# Altium PCB Adafruit HUZZAH32 ESP32 Feather.PcbDoc
Units mil, origin at the board's own origin, x right, y up, seen from the top; angles counter-clockwise.
Board outline 2000 x 900 mil, 2 copper layers (Top, Bottom); 40 components, 43 nets, 180 pads, 98 vias.
Unrouted connection lines stored in the file: 2.
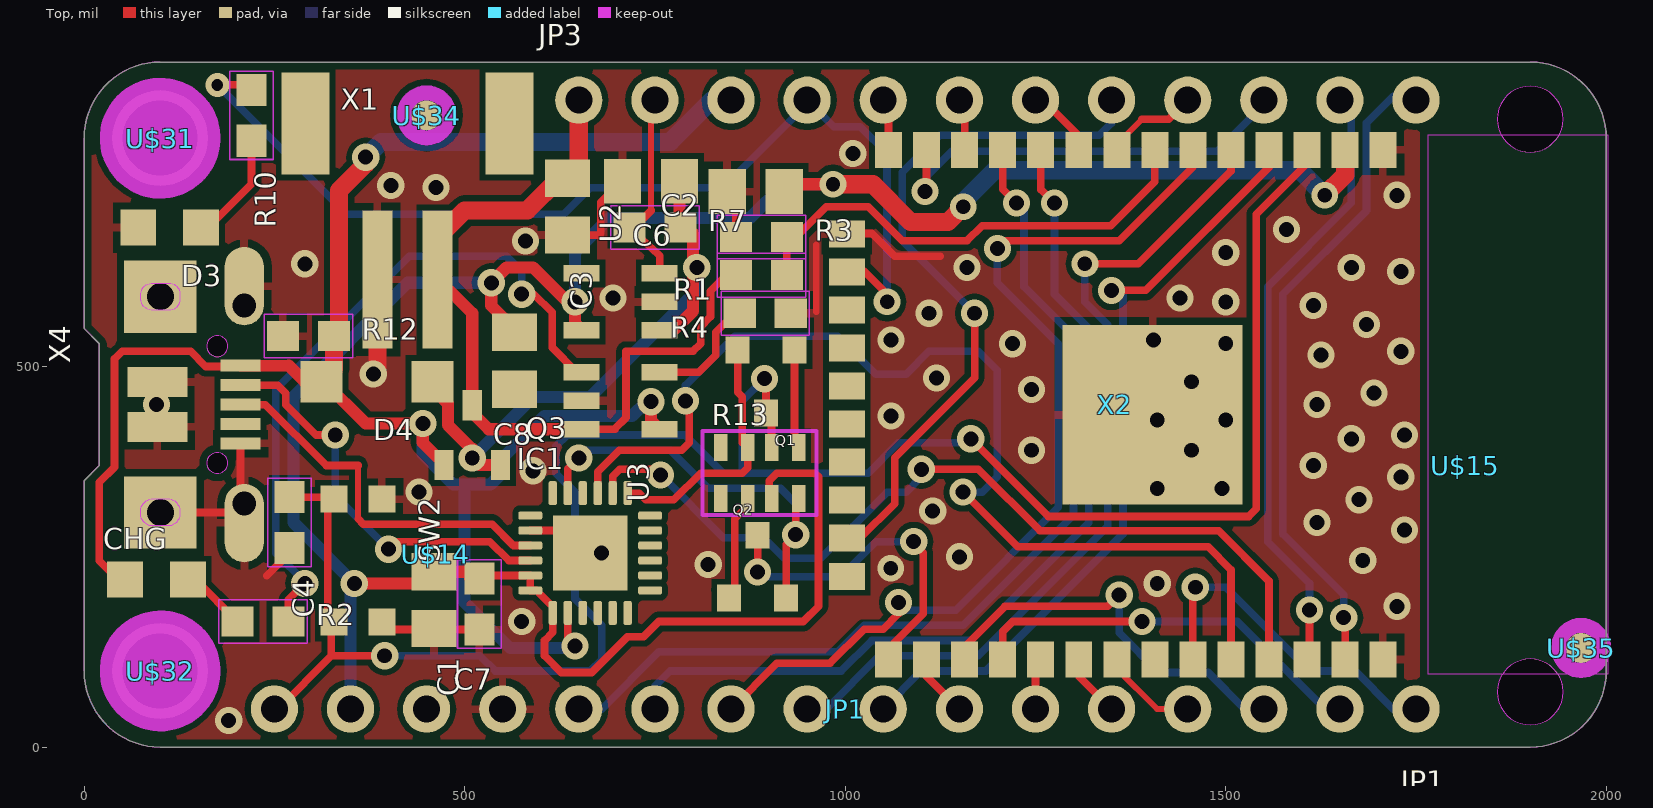
[diagram p0: Top view]
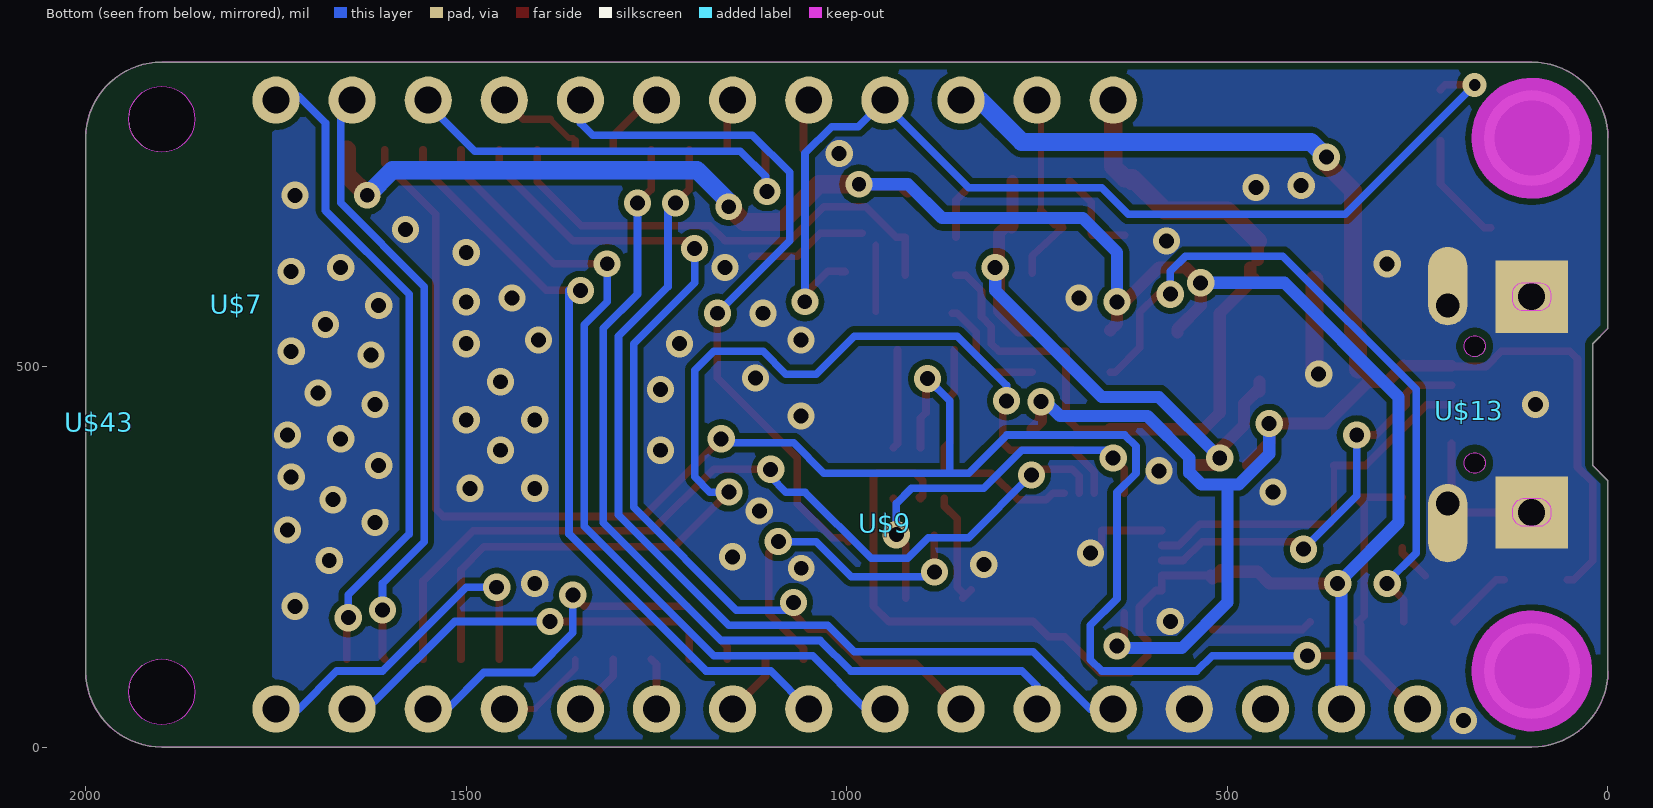
[diagram p1: Bottom view, seen from below]

## Layer stack, top to bottom
Top Solder: solder mask 0.4, Solder Resist, Dk 3.5
Top: signal copper 1.378
Dielectric 1: dielectric 12.6, FR-4, Dk 4.8
Bottom: signal copper 1.378
Bottom Solder: solder mask 0.4, Solder Resist, Dk 3.5

## Board outline
0,100 ccw(c100,100) 100,0 1900,0 ccw(c1900,100) 2000,100 2000,800 ccw(c1900,800) 1900,900 100,900 ccw(c100,800) 0,800 0,550 20,530 20,370 0,350
cut-out: 125.79,308.27 cw(c110.04,306.3) 112.01,290.55 88.39,290.55 cw(c90.36,306.3) 74.61,308.27 cw(c90.36,310.24) 88.39,325.98 112.01,325.98 cw(c110.05,310.24)
cut-out: 90.35,609.45 112.01,609.45 cw(c112.01,595.67) 125.79,595.67 125.79,587.8 cw(c112.01,587.8) 112.01,574.02 90.35,574.02 cw(c89.37,588.78) 74.61,587.8 74.61,595.67 cw(c89.37,594.69)
cut-out: 1900,781.7 ccw(c1900,825) 1943.31,825 ccw(c1900,825) 1900,868.3 ccw(c1900,825) 1856.69,825 ccw(c1900,825)
cut-out: 1900,29.2 ccw(c1900,72.5) 1943.31,72.5 ccw(c1900,72.5) 1900,115.81 ccw(c1900,72.5) 1856.69,72.5 ccw(c1900,72.5)
cut-out: 175,359.45 ccw(c175,373.23) 188.78,373.23 ccw(c175,373.23) 175,387.01 ccw(c175,373.23) 161.22,373.23 ccw(c175,373.23)
cut-out: 175,512.99 ccw(c175,526.77) 188.78,526.77 ccw(c175,526.77) 175,540.55 ccw(c175,526.77) 161.22,526.77 ccw(c175,526.77)

## Design rules (kind name [scope] priority, off if disabled: settings)
BoardOutlineClearance mdCopperDimension [All] p1: gap=10 ignorepadtopadclearanceinfootprint=FALSE except(0: Arc-SplitContinuation Track-SplitContinuation SMDPad-SplitContinuation THPad-SplitContinuation Via-SplitContinuation Fill-SplitContinuation Poly-SplitContinuation Region-SplitContinuation Text-SplitContinuation)
Clearance "Clearance (Same Net)" [All] p1: gap=8 ignorepadtopadclearanceinfootprint=FALSE except(7: SMDPad-SMDPad SMDPad-THPad SMDPad-Via)
Clearance [All] p2: gap=8 ignorepadtopadclearanceinfootprint=FALSE except(7: Track-THPad Track-Via THPad-THPad THPad-Via Via-Via)
HoleSize [All] p1: absolutevalues=TRUE maxlimit=100000 minlimit=15.5 maxpercent=80.000 minpercent=20.000
HoleToHoleClearance mdDrill [All] p1: gap=8 allowstackedmicrovias=TRUE
MinimumSolderMaskSliver [All] p1 off: minsoldermaskwidth=10
PasteMaskExpansion Expansion_SMDPaste_OFF [InPadClass('SMDPaste_OFF')] p1: expansion=0
PasteMaskExpansion mlMinCreamFrame [All] p2: expansion=0
PolygonConnect PolygonConnect_For_PolygonThermal_ON_Width100000_Gap100000 [InPolygonClass('PolygonThermal_ON_Width100000_Gap100000') vs Not IsVia] p1: connectstyle=Relief reliefconductorwidth=10 reliefentries=4 polygonreliefangle="90 Angle" airgapwidth=10
PolygonConnect ThermalVias [IsVia] p2: connectstyle=Direct reliefconductorwidth=10 reliefentries=4 polygonreliefangle="90 Angle" airgapwidth=10
PolygonConnect [All] p3: connectstyle=Relief reliefconductorwidth=10 reliefentries=4 polygonreliefangle="90 Angle" airgapwidth=10
RoutingVias [All] p1: holewidth=15.5 width=31.5 viastyle="Through Hole" minholewidth=15.5 minwidth=31.5 maxholewidth=100 maxwidth=100
SolderMaskExpansion Expansion_SMDSolder_OFF [InPadClass('SMDSolder_OFF')] p1: expansion=0 istentingtop=FALSE
SolderMaskExpansion mlMinStopFrame [All] p2: expansion=2 istentingtop=FALSE
Width [All] p1: maxlimit=10 minlimit=6 preferedwidth=6
26 further rules are at their usual default settings.

## Classes and differential pairs
polygon class PolygonThermal_ON_Width100000_Gap100000: Polygon_1_Net_GND Polygon_2_Net_GND
pad class SMDSolder_OFF: X4-D+ X4-D- X4-GND X4-ID X4-VBUS
pad class SMDPaste_OFF: IC1-THERM U$34-1 U$35-1 X2-P$1 X4-D+ X4-D- X4-GND X4-ID X4-VBUS

## Components (designator, comment, footprint, x,y, rotation, side; value= is the part's Value field where it differs from the comment)
C1 "10uF" 0805-NO 460,193 r270 top
C2 "10uF" 0805-NO 882.5,730 r180 top
C3 "10µF" 0805-NO 635,710 r270 top
C4 "1uF" 0603-NO 270,295 r270 top
C6 "10µF" 0805-NO 744.8,743.43 r180 top
C7 "1uF" 0603-NO 519.33,187.99 r270 top
C8 "10µF" 0805-NO 565.59,507.64 r270 top
CHG "ORANGE" CHIPLED_0805_NOOUTLINE 95,220 r270 top
D3 "RED" CHIPLED_0805_NOOUTLINE 112.5,682.5 r90 top
D4 "MBR120" SOD-123 385,480 r180 top
IC1 "CP2104" QFN24_4MM_SMSC 665,255 r0 top
JP1 "" 1X16_ROUND_MIN 1000,50 r180 top
JP3 "" 1X12_ROUND_MIN 1200,850 r0 top
Q1 "mmbt2222" SOT23-3 896,482.5 r180 top
Q2 "mmbt2222" SOT23-3 885,235 r0 top
Q3 "DMG3415U" SOT23-R 510,410 r0 top
R1 "100K" 0603-NO 890,620 r180 top
R2 "1K" 0603-NO 235,165 r0 top
R3 "100K" 0603-NO 890,670 r0 top
R4 "4.7K" 0603-NO 895,570 r180 top
R7 "100K" 0603-NO 750,682.5 r0 top
R10 "1K" 0603-NO 220,830 r270 top
R12 "100K" 0603-NO 295,540 r0 top
R13 "10K" RESPACK_4X0603 887.5,360 r0 top
SW2 "KMR2" BTN_KMR2_4.6X2.8 360,245 r270 top
U2 "AP2112-3.3" SOT23-5 705,585 r90 top
U3 "MCP73831T-2ACI/OT" SOT23-5 705,455 r270 top
U$7 "" ADAFRUIT_5MM 1802.5,582.5 r90 bottom
U$9 "" FEATHERLOGO_MED 950,295 r180 bottom
U$13 "" PCBFEAT-REV-040 182.5,442.5 r180 bottom
U$14 "" ADAFRUIT_2.5MM 462,254 r0 top
U$15 "" ADAFRUIT_3.5MM 1815,370 r0 top
U$31 "" MOUNTINGHOLE_2.5_PLATED 100,800 r270 top
U$32 "" MOUNTINGHOLE_2.5_PLATED 100,100 r270 top
U$34 "" FIDUCIAL_1MM 450,830 r270 top
U$35 "" FIDUCIAL_1MM 1966.86,130.28 r270 top
U$43 "" HUZZAH32 1982.5,427.5 r180 bottom
X1 "JSTPH" JSTPH2 425,760 r0 top
X2 "" WROOM32_SKINNY 1510,450 r270 top
X4 "20329" 4UCONN_20329_V2 175,450 r270 top

## Footprints (in the part's own frame and the unit in brackets; to place one, negate y for a bottom-side part, rotate by r counter-clockwise, add the part's x,y. Pads: shape width x height; smd on the part's side, far side on the other; paste and mask are expansions set on the pad)
1X12_ROUND_MIN [mil] "1X12_ROUND_MIN"
  round 62 hole 35.43: 1(-550,0) 2(-450,0) 3(-350,0) 4(-250,0) 5(-150,0) 6(-50,0) 7(50,0) 8(150,0) 9(250,0) 10(350,0) 11(450,0) 12(550,0)
  body extent -604,-31 581,31, height 150
1X16_ROUND_MIN [mil] "1X16_ROUND_MIN"
  round 62 hole 35.43: 1(-750,0) 2(-650,0) 3(-550,0) 4(-450,0) 5(-350,0) 6(-250,0) 7(-150,0) 8(-50,0) 9(50,0) 10(150,0) 11(250,0) 12(350,0) 13(450,0) 14(550,0) 15(650,0) 16(750,0)
  body extent -804,-31 781,31, height 150
4UCONN_20329_V2 [mm] "4UCONN_20329_V2"
  rect 1x2 smd: BASE@1(-0.75,-2) BASE@2(0.75,-2)
  rect 0.4x1.35 smd paste+0 mask+0: D+(0,0.775) D-(-0.65,0.775) GND(1.3,0.775) ID(0.65,0.775) VBUS(-1.3,0.775)
  oval 2.616x1.308 hole 0.8 copper offset -0.654,0: SPRT@1(-3.3,0.9)
  oval 2.616x1.308 hole 0.8 copper offset 0.654,0: SPRT@2(3.3,0.9)
  rect 2.413x2.413 / inner round 2.229 / far side rect 2.413x2.413 hole 0.9: SPRT@3(-3.6,-1.9) SPRT@4(3.6,-1.9)
  body extent -5.27,-4.97 5.27,1.56, height 3.81
0603-NO [mm] "0603-NO"
  rect 1.075x1 smd: 1(-0.85,0) 2(0.85,0)
  Top keep-out lines w0.051: 1.473,-0.729 -1.473,-0.729 -1.473,0.729 1.473,0.729 1.473,-0.729
  body extent -1.5,-0.76 1.5,0.76, height 3.81
0805-NO [mil] "0805-NO"
  rect 48.82x59.06 smd: 1(-37.4,0) 2(37.4,0)
  body extent -62,-30 62,30, height 150
ADAFRUIT_2.5MM [mil] "ADAFRUIT_2.5MM"
ADAFRUIT_3.5MM [mil] "ADAFRUIT_3.5MM"
ADAFRUIT_5MM [mil] "ADAFRUIT_5MM"
BTN_KMR2_4.6X2.8 [mil] "BTN_KMR2_4.6X2.8"
  rect 35.43x35.43 smd: A(80.71,31.5) A'(-80.71,31.5) B(80.71,-31.5) B'(-80.71,-31.5)
  body extent -98,-59 98,59, height 150
CHIPLED_0805_NOOUTLINE [mil] "CHIPLED_0805_NOOUTLINE"
  rect 47.24x47.24 smd: A(0,-41.34) C(0,41.34)
  body extent -25,-65 25,65, height 150
FEATHERLOGO_MED [mil] "FEATHERLOGO_MED"
FIDUCIAL_1MM [mm] "FIDUCIAL_1MM"
  rrect100% 1x1 smd paste+0: 1(0,0)
  Top keep-out lines w0.5: 0,-0.75 cw(c0,0) -0.75,0 ; 0,-0.75 ccw(c0,0) 0.75,0 ; 0,-0.75 cw(c0,0) -0.75,0 ; 0,-0.75 ccw(c0,0) 0.75,0 ; 0.75,0 ccw(c0,0) 0,0.75 ; 0.75,0 ccw(c0,0) 0,0.75 ; -0.75,0 cw(c0,0) 0,0.75 ; -0.75,0 cw(c0,0) 0,0.75
  body extent -1.01,-1.01 1.01,1.01, height 3.81
HUZZAH32 [mil] "HUZZAH32"
JSTPH2 [mm] "JSTPH2"
  rect 1x4.6 smd: 1(-1,-3.7) 2(1,-3.7)
  rect 1.6x3.4 smd: NC1(-3.4,1.5) NC2(3.4,1.5)
  body extent -4.2,-6 4.2,3.2, height 3.81
MOUNTINGHOLE_2.5_PLATED [mil] "MOUNTINGHOLE_2.5_PLATED"
  round 125.98 hole 98.43: P$1(0,0)
  Top keep-out circle w80: c0,0 r39.37
  Top keep-out circle w80: c0,0 r39.37
  Bottom keep-out circle w80: c0,0 r39.37
  Bottom keep-out circle w80: c0,0 r39.37
  body extent -80,-80 80,80, height 150
PCBFEAT-REV-040 [mil] "PCBFEAT-REV-040"
QFN24_4MM_SMSC [mil] "QFN24_4MM_SMSC"
  rrect50% 31.5x11.02 smd: 1(-78.74,49.21) 2(-78.74,29.53) 3(-78.74,9.84) 4(-78.74,-9.84) 5(-78.74,-29.53) 6(-78.74,-49.21) 13(78.74,-49.21) 14(78.74,-29.53) 15(78.74,-9.84) 16(78.74,9.84) 17(78.74,29.53) 18(78.74,49.21)
  rrect50% 11.02x31.5 smd: 7(-49.21,-78.74) 8(-29.53,-78.74) 9(-9.84,-78.74) 10(9.84,-78.74) 11(29.53,-78.74) 12(49.21,-78.74) 19(49.21,78.74) 20(29.53,78.74) 21(9.84,78.74) 22(-9.84,78.74) 23(-29.53,78.74) 24(-49.21,78.74)
  rect 98.43x98.43 smd paste+0: THERM(0,0)
  body extent -95,-95 95,95, height 150
RESPACK_4X0603 [mil] "RESPACK_4X0603"
  rect 17.72x35.43 smd: 1(-51.18,-33.46) 2(-15.75,-33.46) 3(15.75,-33.46) 4(51.18,-33.46) 5(51.18,33.46) 6(15.75,33.46) 7(-15.75,33.46) 8(-51.18,33.46)
  Top keep-out lines w5: -74.8,-55.12 74.8,-55.12 74.8,55.12 -74.8,55.12 -74.8,-55.12
  body extent -78,-58 78,58, height 150
SOD-123 [mil] "SOD-123"
  rect 55.12x55.12 smd: A(72.83,0) C(-72.83,0)
  body extent -100,-32 100,32, height 150
SOT23-3 [mil] "SOT23-3"
  rect 31.5x35.43 smd: 1(-37.4,-39.37) 2(37.4,-39.37) 3(0,43.31)
  body extent -59,-57 59,61, height 150
SOT23-5 [mil] "SOT23-5"
  rect 21.65x47.24 smd: 1(-37.4,-51.19) 2(0,-51.19) 3(37.4,-51.19) 4(37.4,51.19) 5(-37.4,51.19)
  body extent -60,-75 60,75, height 150
SOT23-R [mil] "SOT23-R"
  rect 25x40 smd: 1(-37.4,-39.37) 2(37.4,-39.37) 3(0,39.37)
  body extent -66,-59 66,59, height 150
WROOM32_SKINNY [mm] "WROOM32_SKINNY"
  rect 1.2x0.9 smd: 1(-8.5,5) 2(-8.5,3.73) 3(-8.5,2.46) 4(-8.5,1.19) 5(-8.5,-0.08) 6(-8.5,-1.35) 7(-8.5,-2.62) 8(-8.5,-3.89) 9(-8.5,-5.16) 10(-8.5,-6.43) 11(-8.5,-7.7) 12(-8.5,-8.97) 13(-8.5,-10.24) 14(-8.5,-11.51) 25(8.5,-11.51) 26(8.5,-10.24) 27(8.5,-8.97) 28(8.5,-7.7) 29(8.5,-6.43) 30(8.5,-5.16) 31(8.5,-3.89) 32(8.5,-2.62) 33(8.5,-1.35) 34(8.5,-0.08) 35(8.5,1.19) 36(8.5,2.46) 37(8.5,3.73) 38(8.5,5)
  rect 0.9x1.2 smd: 15(-5.7,-12.9) 16(-4.43,-12.9) 17(-3.16,-12.9) 18(-1.89,-12.9) 19(-0.62,-12.9) 20(0.65,-12.9) 21(1.92,-12.9) 22(3.19,-12.9) 23(4.46,-12.9) 24(5.73,-12.9)
  rect 6x6 smd paste+0: P$1(0.34,-2.7)
  Top keep-out region: -9,6.5 -9,12.5 9,12.5 9,6.5
  body extent -9.1,-13.5 9.1,12.57, height 3.81

## Part data
C1 C2 C3 C6 C8: library part 0805-NO, PackageName=0805-NO
C4 C7 R1 R2 R3 R4 R7 R10 R12: library part 0603-NO, PackageName=0603-NO
CHG D3: library part CHIPLED_0805_NOOUTLINE, PackageName=CHIPLED_0805_NOOUTLINE
D4: library part SOD-123, PackageName=SOD-123
IC1: library part QFN24_4MM_SMSC, PackageName=QFN24_4MM_SMSC
JP1: library part 1X16_ROUND_MIN, PackageName=1X16_ROUND_MIN
JP3: library part 1X12_ROUND_MIN, PackageName=1X12_ROUND_MIN
Q1 Q2: library part SOT23-3, PackageName=SOT23-3
Q3: library part SOT23-R, PackageName=SOT23-R
R13: library part RESPACK_4X0603, PackageName=RESPACK_4X0603
SW2: library part BTN_KMR2_4.6X2.8, PackageName=BTN_KMR2_4.6X2.8
U2 U3: library part SOT23-5, PackageName=SOT23-5
U$7: library part ADAFRUIT_5MM, PackageName=ADAFRUIT_5MM
U$9: library part FEATHERLOGO_MED, PackageName=FEATHERLOGO_MED
U$13: library part PCBFEAT-REV-040, PackageName=PCBFEAT-REV-040
U$14: library part ADAFRUIT_2.5MM, PackageName=ADAFRUIT_2.5MM
U$15: library part ADAFRUIT_3.5MM, PackageName=ADAFRUIT_3.5MM
U$31 U$32: library part MOUNTINGHOLE_2.5_PLATED, PackageName=MOUNTINGHOLE_2.5_PLATED
U$34 U$35: library part FIDUCIAL_1MM, PackageName=FIDUCIAL_1MM
U$43: library part HUZZAH32, PackageName=HUZZAH32
X1: library part JSTPH2, PackageName=JSTPH2
X2: library part WROOM32_SKINNY, PackageName=WROOM32_SKINNY
X4: library part 4UCONN_20329_V2, PackageName=4UCONN_20329_V2

## Free pads (board coordinates)
  round 27.56 hole 27.56 unplated: MH1(175,526.77) MH2(175,373.23)
  round 86.61 hole 86.61 unplated: MH1(1900,72.5) MH2(1900,825)

## Via types
v1: diameter 35.69/35.69 (per signal layer), hole 19.69, Top to Bottom, 91 vias
v2: diameter 35/35 (per signal layer), hole 19, Top to Bottom, 6 vias
v3: diameter 31.5/31.5 (per signal layer), hole 15.5, Top to Bottom, 1 vias

## Nets (pads, with @x,y where several pads share a name; then routed paths per layer and width w, separated by ;. In a path a pad name is that pad's centre, name@x,y a point inside that pad or via, vN(x,y) a via of type N, cw(c..) or ccw(c..) an arc to the next point about the centre after c; other vN are vias at no path point)
3.3V: C1.1 C2.1 C7.1 C8.1 IC1.5 IC1.6 IC1.7 JP1.15 R13.3 U2.5 X2.2 | length 3399.7
  Top w10: C7.1@504.06,221.46 C7.1@519.33,221.46 ; C7.1@521.93,225.47 IC1.5 IC1.6 594.21,205.79 615.79,184.21 IC1.7 615.79,150.79 605,140 605,120 627,98 667,98 714,145 735,145 755,165 945,165 965,185 965,355 960,360 910,360 900,350 900,329.78 R13.3 R13.3@905,328.29
  Top w16: v1(355,215) 444.6,215 C1.1 510.39,230.4 C7.1@519.33,221.46 ; C7.1@508.39,232.4 C7.1@519.33,221.46 ; C7.1@521.93,225.47 521.93,224.06 C7.1@519.33,221.46 ; C8.1 565.59,549.41 535,580 v1(535,610) 555,630 590,630 635,585 v1(645,585) 645,556.41 U2.5 ; C2.1 929.4,739.5 v2(984,739.5)
  Top w24: v2(984,739.5) 1036.5,739.5 1086,690 1135,690 v2(1155,710) ; v2(1630,725) 1656.85,751.85 X2.2
  Bottom w16: JP1.15 v1@350,220 ; v1(355,215) v1@350,220 ; v1(535,610) 425,610 275,460 275,295 v1@350,220 ; v1(645,585) 645,650 690,695 875,695 919.5,739.5 v2(984,739.5) ; v2(1155,710) v2@1160,715
  Bottom w24: v2(1155,710) 1155,716 1197,758 1597,758 v2(1630,725)
A0_DAC2: JP1.12 X2.11 | length 1274.4
  Top w10: X2.11 1206.85,733.15 v1(1225,715)
  Bottom w10: JP1.12 680,50 755,125 990,125 1025,160 1155,160 1300,305 1300,540 1235,605 1235,706 1234,706 v1(1225,715)
A1_DAC1: JP1.11 X2.10 | length 1205.2
  Top w10: X2.10 1256.85,732.52 1257.48,732.52 v1(1275,715)
  Bottom w10: JP1.11 750,80 770,100 995,100 1035,140 1165,140 1320,295 1320,550 1275,595 v1(1275,715)
A2_I34: JP1.10 X2.6 | length 1253.9
  Top w10: JP1.10 910,110 980,110 1025,155 1050,155 1070,175 v1(1070,190) ; v1(1200,655) 1210,665 1360,665 1456.85,761.85 X2.6
  Bottom w10: v1(1070,190) 1080,180 1145,180 1280,315 1280,530 1200,610 v1(1200,655)
A3_I39: JP1.9 X2.5 | length 1134
  Top w10: v2@1320,635 1320,640 v2(1315,635) 1385,635 1506.85,756.85 X2.5
  Bottom w10: JP1.9 975,50 1045,120 1175,120 1345,290 1345,555 1315,585 v2(1315,635)
A4_IO36: JP1.8 X2.4 | length 1042
  Top w10: v1(1350,600) 1395,600 1556.85,761.85 X2.4
  Bottom w10: JP1.8 1100,100 1185,100 1365,280 1365,600 v1(1350,600)
A5_IO4: JP1.7 X2.26 | length 83.2
  Top w10: X2.26 1106.85,93.15 JP1.7
A13_I35: R1.1 R3.2 X2.7 | length 642.6
  Top w10: R1.1 R3.2 935,670 975,710 1030,710 1075,665 1160,665 1180,685 1349,685 1406.85,742.85 X2.7
DTR: IC1.23 Q2.2 R13.4 | length 549.1
  Top w10: IC1.23 635.47,365.47 v1(650,380) ; Q2.2 922.4,266.4 v1(935,279) 935,322.85 R13.4
  Bottom w10: v1(650,380) 660,390 770,390 820,340 915,340 935,320 v1(935,279)
EN: JP3.2 R7.1 U2.3 | length 263.2
  Top w8: 745,705 JP3.2@745,825
  Top w10: 745,705 726.54,686.54 718.07,686.54 R7.1 756.18,645.35 U2.3 ; JP3.2@745,825 750,830 JP3.2
GND: C1.2 C2.2 C3.2 C4.2 C6.2 C7.2 C8.2 D3.C IC1.2 IC1.THERM JP1.13 R3.1 R4.1 R12.1 SW2.A SW2.A' U2.2 U3.2 X1.1 X2.1 X2.15 X2.38 X2.P$1 X4.BASE@1 X4.BASE@2 X4.GND X4.SPRT@1 X4.SPRT@2 X4.SPRT@3 X4.SPRT@4 | length 1087.9
  Top w8: 962,571.54 962,660
  Top w10: 62.8,591.73 100.2,591.73 ; 100.2,308.27 198.62,308.27 210.43,320.08 205.51,325 X4.GND ; 240,225 270,255 C4.2 ; SW2.A 401.26,154.53 C7.2 ; IC1.2 665,284.53 665,265 670,265 v1(680,255) ; C3.2 677.6,672.6 ; 679,675 679,716.02 706.4,743.43 C6.2 ; C2.2 856.54,718.56 R3.1 ; X2.15@980,675 1035,675 1065,645 1125,645
  Top w24: v1@385.63,491.97 X1.1
  other v1: 190,35 575,165 1725,185 1410,215 820,240 1680,245 1150,250 1735,285 1620,295 1115,310 1675,325 440,335 1410,340 1495,340 1730,355 590,363 1615,370 1245,390 1455,390 1665,405 1735,410 1410,430 1500,430 1060,435 95,450 1620,450 1695,465 1245,470 1455,480 1120,485 380,490 1625,515 1730,520 1220,530 1500,530 1060,535 1405,535 1685,555 1110,570 1615,580 1500,585 695,590 1440,590 1730,625 1160,630 1665,630 290,635 1500,650 580,665 1580,680 1725,725 462.5,735 403,738 1010,780
  other v2: 1060,235
GPIO0: Q2.3 X2.25 | length 453.6
  Top w10: v1(885,230) Q2.3 ; X2.25 1056.85,129.35 1102.5,175 1102.5,255 1090,267.5 v1(1090,270)
  Bottom w10: v1(885,230) 891,224 994,224 1040,270 v1(1090,270)
GPIO2: X2.24
IO12_A11: JP3.5 X2.14 | length 68.2
  Top w10: JP3.5 1056.85,843.15 X2.14
IO13_A12: JP3.4 R10.1 X2.16 | length 1370
  Top w10: v3(175,870) 213.46,870 R10.1 ; X2.16@1009.41,624.41 X2.16 1002.72,625 1025,625 1055,595 v2(1055,585)
  Bottom w10: v3(175,870) 345,700 630,700 665,735 840,735 950,845 JP3.4 985,815 1020,815 1055,780 v2(1055,585)
IO14_A6: JP3.10 X2.13 | length 564.3
  Top w10: v1(1105,730) 1106.85,731.85 X2.13
  Bottom w10: v1(1105,730) 1106.85,731.85 1106.85,750 1139.85,783 1489,783 1550,844 JP3.10
IO15_A8: JP3.8 X2.23 | length 937.8
  Top w10: X2.23@997.72,270 X2.23 1002.72,275 1020,275 1065,320 1065,380 1170,485 v1(1170,570)
  Bottom w10: v1(1170,570) 1075,665 1075,755 1124,804 1334,804 1350,820 JP3.8
IO16: JP1.3 X2.27 | length 529.3
  Top w10: X2.27 1156.85,131.85 1210,185 1345,185 v1(1360,200)
  Bottom w10: v1(1360,200) 1360,150 1412,98 1477,98 1525,50 JP1.3
IO17: JP1.2 X2.28 | length 532.7
  Top w10: X2.28 1206.85,151.85 1220,165 v1(1390,165)
  Bottom w10: v1(1390,165) 1515,165 1620,60 1640,60 JP1.2
IO21: JP1.1 X2.33 | length 452.2
  Top w10: X2.33 1456.85,206.85 v1(1460,210)
  Bottom w10: v1(1460,210) 1500,210 1610,100 1670,100 1720,50 JP1.1
IO27_A10: JP3.6 X2.12 | length 68.2
  Top w10: JP3.6 1156.85,843.15 X2.12
IO32_A7: JP3.9 X2.8 | length 127.4
  Top w8: X2.8@1356.85,796.85 1360,800 1365,800 1390,825
  Top w10: X2.8 X2.8@1356.85,796.85 ; 1390,825 1425,825 JP3.9
IO33_A9: JP3.7 X2.9 | length 94.8
  Top w10: JP3.7 1260,850 1306.85,803.15 X2.9
MISO: JP1.4 X2.31 | length 127.4
  Top w8: X2.31 1356.85,103.15 1410,50 JP1.4
MOSI: JP1.5 X2.30 | length 83.2
  Top w10: X2.30 1306.85,93.15 JP1.5
N$1: CHG.C R2.1 | length 88
  Top w10: CHG.C 146.54,220 R2.1
N$2: IC1.3 X4.D+ | length 498.5
  Top w8: 360,300 360,370
  Top w10: X4.D+ 238,450 318,370 360,370 ; 360,300 367,293 536,293 564.16,264.84 IC1.3
N$3: R2.2 U3.1 | length 911.7
  Top w10: R2.2 268.46,193.46 v1(290,215) ; v1(575,595) 591,595 615,571 615,525 647.6,492.4 U3.1
  Bottom w10: v1(290,215) 290,217 252,255 252,470 427,645 555,645 575,625 v1(575,595)
N$4: R4.2 U3.5 | length 155.1
  Top w10: U3.5 777.4,492.4 807.4,492.4 830,515 830,545 845,560 855,570 R4.2
N$5: D3.A R10.2 | length 146.5
  Top w10: D3.A 162.5,682.5 220,740 R10.2
N$6: IC1.4 X4.D- | length 540.1
  Top w10: X4.D- 254.41,475.59 265,465 265,450 305,410 v1(330,410) ; v1(400,260) 410,270 533,270 557.84,245.16 IC1.4
  Bottom w10: v1(330,410) 330,330 v1(400,260)
N$7: C6.1 D4.C Q3.2 R7.2 U2.1 | length 847.5
  Top w16: D4.C@457.83,467.17 D4.C 457.83,471.17 478,451 478,423 510,391 v1(510,380) ; v1@510,392 v1(510,380) ; Q3.2 519.37,370.63 v1(510,380) ; U2.1 774.6,547.6 800,573 v1@800,630 ; C6.1 782.2,686.26 R7.2 790,685 800,675 v1@800,630 ; v1(805,630) v1@800,630
  Bottom w16: v1(510,380) 590,460 665,460 805,600 v1(805,630)
N$12: Q1.1 R13.5 | length 130.6
  Top w10: Q1.1 933.4,398.74 R13.5
N$13: Q2.1 R13.2 | length 159
  Top w10: Q2.1@836.32,206.91 Q2.1 845,198.23 845,200 855,210 855,300 871.75,316.75 R13.2
RESET: C4.1 JP1.16 Q1.3 R13.6 SW2.B SW2.B' X2.3 | length 2795.5
  Top w10: JP1.16 255,50 325,120 ; C4.1 325.75,328.46 SW2.B' 322.8,320 320,320 320,172.8 SW2.B 325,160.79 325,120 ; v1(395,120) 325,120 ; v1(894,484) 896,482 Q1.3 903.25,431.94 R13.6 ; v1(1165,405) 1267,303 1530,303 1540,313 1540,700 1606.85,766.85 X2.3
  Bottom w10: v1(395,120) 520,120 540,100 665,100 680,115 680,160 645,195 645,335 620,360 620,395 635,410 790,410 840,360 865,360 ; v1(894,484) 865,455 865,360 ; v1(1165,405) 1160,400 1070,400 1030,360 865,360
RTS: IC1.19 Q1.2 R13.7 | length 339
  Top w10: IC1.19 729.21,333.74 737.95,325 775,325 810,360 865,360 871.75,366.75 R13.7 865,400.22 865,460 858.6,466.4 Q1.2
RXD0: IC1.21 X2.34 | length 1431.7
  Top w10: IC1.21 674.84,361.84 703,390 785,390 795,400 795,450 v1(790,455) ; v1@1160,335 v1(1155,335) 1227,263 1477,263 1506.85,233.15 X2.34
  Bottom w10: v1(790,455) 790,475 855,540 990,540 1040,490 1080,490 1110,520 1175,520 1200,495 1200,355 1180,335 v1(1155,335)
SCK: JP1.6 X2.29 | length 68.2
  Top w10: JP1.6 1250,108.5 X2.29
SCL: JP3.11 X2.36 | length 810.5
  Top w10: X2.36 1610,118.5 v1(1610,180)
  Bottom w10: v1(1610,180) 1610,215 1555,270 1555,605 1665,715 1665,835 JP3.11
SDA: JP3.12 X2.37 | length 865.7
  Top w10: v1(1655,170) 1656.85,168.15 X2.37
  Bottom w10: v1(1655,170) 1655,200 1575,280 1575,595 1685,705 1685,820 1720,855 1745,855 JP3.12
TXD0: IC1.20 X2.35 | length 1154.4
  Top w10: IC1.20 694.53,355.53 704,365 750,365 v1(757.5,357.5) ; v1(1100,365) 1175,365 1256,284 1491,284 1556.85,218.15 X2.35
  Bottom w10: v1(757.5,357.5) 840,275 893,275 920,248 968,248 1055,335 1080,335 1100,355 v1(1100,365)
VBAT: C3.1 JP3.1 Q3.3 R1.2 U3.3 X1.2 | length 1118.2
  Top w10: X1.2@460,640 X1.2@470.02,629.98 ; U3.3 697.6,417.6 697.6,418.6 712,433 712,520 800,520 810,530 810,552.5 823,565.5 823,566.5 823,599 844,620 R1.2 R1.2@845,620
  Top w16: X1.2@460,640 X1.2@460,665 ; X1.2 X1.2@470.02,619.98 ; X1.2@470.02,629.98 X1.2@470.02,619.98 ; C3.1@627.17,740 C3.1@634.57,747.4 ; U3.3 531.77,417.6 510,439.37 Q3.3 510,570 470.02,609.98 X1.2@470.02,619.98
  Top w24: X1.2@460,665 500,705 582.17,705 624.57,747.4 C3.1@634.57,747.4 ; C3.1 C3.1@634.57,747.4 ; JP3.1 650,762.83 C3.1@634.57,747.4
VBUS: CHG.A D4.A IC1.8 JP3.3 Q3.1 R12.2 U3.4 X4.VBUS | length 2490
  Top w10: CHG.A 45,220 20,245 20,348 40,368 40,510 50,520 140,520 160,500 204.33,500 X4.VBUS ; D4.A D4.A@328.46,496.3 ; IC1.8 635.47,142.53 v1(645,133)
  Top w15: X4.VBUS 268.82,501.18
  Top w16: 268.82,501.18 290,480 D4.A 315,480 370,425 v1(445,425) 445,400 472.6,372.4 Q3.1 ; v1(745,453.78) 745,428.78 U3.4
  Top w24: D4.A@328.46,496.3 R12.2 335,546.54 335,731 370,766 v1(370,775)
  Bottom w16: v1(445,425) 445,385 485,345 500,345 ; v1(645,133) 642,130 560,130 500,190 500,345 ; v1(745,453.78) 738.78,453.78 720,435 605,435 550,380 550,360 549,360 534,345 500,345
  Bottom w24: v1(370,775) 390,795 770,795 825,850 JP3.3
pads on no net: IC1.1 IC1.9 IC1.10 IC1.11 IC1.12 IC1.13 IC1.14 IC1.15 IC1.16 IC1.17 IC1.18 IC1.22 IC1.24 JP1.14 R13.1 R13.8 U2.4 U$31.P$1 U$32.P$1 U$34.1 U$35.1 X1.NC1 X1.NC2 X2.17 X2.18 X2.19 X2.20 X2.21 X2.22 X2.32 X4.ID

## Polygon pours and split planes (outlines as drawn)
GND on Top "Polygon_1_Net_GND" (solid, remove dead copper, pour order 1): -5,905 -5,-5 1755,-5 1755,905
GND on Bottom "Polygon_2_Net_GND" (solid, remove dead copper, pour order 0): -5,-5 1755,-5 1755,905 -5,905

## Keep-outs
Keep-Out Layer:
  the board outline again, w0

## Silkscreen, mask and mechanical layers (free items; w line width, h text height)
Dimension:
  the board outline again, w0
tPlace:
  text "12" at 1109.33,838.87 h27.2 r90
  text "15" at 1410.33,836.87 h27.2 r90
  text "33" at 1309.83,835.6 h27.2 r90
  text "32" at 1510.33,835.6 h27.2 r90
  text "27" at 1210.33,834.6 h27.2 r90
  text "14" at 1608.33,834.37 h27.2 r90
  text "SCL" at 1715.81,820.45 h25.5 r90
  text "SDA" at 1824.36,815.48 h27.2 r90
  text "BAT" at 608.76,782.09 h34
  text "EN" at 725.76,782.09 h34
  text "USB" at 805.6,773.93 h34
  text "13" at 925.43,773.93 h34
  text "#13" at 222.91,681.59 h34 r90
  text "reset" at 293.44,370.75 h34
  text "CHG" at 183.76,202.09 h34
  text "huzzah!" at 798.58,177.11 h34 r90
  text "ESP32!" at 829.22,138.74 h29.75
  text "RST" at 208.76,102.09 h34
  text "3V" at 330.76,97.09 h34
  text "NC" at 430.76,97.09 h34
  text "GND" at 513.76,97.09 h34
  text "A0" at 635.76,97.09 h34
  text "A1" at 728.26,88.93 h34
  text "A3" at 921.6,87.93 h34
  text "A2" at 821.6,86.93 h34
  text "MI" at 1509.69,36.07 h25.5 r90
  text "21" at 1816.3,36.24 h29.75 r90
  text "RX" at 1609.69,31.82 h25.5 r90
  text "MO" at 1410.01,31.21 h26.35 r90
  text "A5" at 1218.44,26.65 h29.75 r90
  text "TX" at 1709.69,26.82 h25.5 r90
  text "A4" at 1118.44,21.65 h29.75 r90
  text "SCK" at 1309.69,19.07 h25.5 r90
bPlace:
  text "3.7/4.2V" at 531.55,846.09 h34
  text "BAT" at 668.57,786.9 h34 r90
  text "USB" at 873.57,786.9 h34 r90
  text "LiPoly Batt" at 574.03,786.09 h34
  text "33/A9" at 1273.57,785.89 h34 r90
  text "32/A7" at 1468.57,785.89 h34 r90
  text "En" at 768.57,784.9 h34 r90
  text "15/A8" at 1368.57,783.06 h34 r90
  text "14/A6" at 1568.57,783.06 h34 r90
  text "SCL/22" at 1673.57,782.88 h34 r90
  text "SDA/23" at 1768.57,782.88 h34 r90
  text "27/A10" at 1168.57,780.05 h34 r90
  text "13/A12" at 968.57,777.22 h34 r90
  text "12/A11" at 1068.57,771.55 h34 r90
  text "ÂµUSB charge" at 593.86,726.09 h34
  text "ESP32 Feather" at 865,625 h42.5
  text "16MB Flash" at 865,550 h42.5
  text "WiFI+BT" at 865,475 h42.5
  text "Contains FCCID" at 1980,360 h34
  text "MOSI/18" at 1373.57,334.21 h34 r90
  text "MISO/19" at 1473.57,334.21 h34 r90
  text "2AC7Z-ESP32" at 1980,300 h34
  text "RX/16" at 1568.57,273.06 h34 r90
  text "TX/17" at 1673.57,273.06 h34 r90
  text "A2/34" at 868.57,270.89 h34 r90
  text "A3/39" at 968.57,270.89 h34 r90
  text "A4/36" at 1073.57,270.89 h34 r90
  text "SCK/5" at 1268.57,270.89 h34 r90
  text "DAC2" at 698.57,238.89 h34 r90
  text "A5/4" at 1168.57,238.89 h34 r90
  text "DAC1" at 803.57,238.23 h34 r90
  text "A0" at 638.57,204.9 h34 r90
  text "A1" at 743.57,204.24 h34 r90
  text "RST" at 273.57,201.9 h34 r90
  text "GND" at 568.57,201.9 h34 r90
  text "3V" at 373.57,169.9 h34 r90
  text "NC" at 468.57,169.9 h34 r90
  text "21" at 1768.57,164.24 h34 r90

## Dimensions
150,0 to 175,450 on tFinish
0,805 to 425,760 on tFinish
0,815 to 1200,850 on tFinish
0,265 to 1000,50 on tFinish
1855,70 to 1945,75 on tFinish
50,100 to 150,100 on tFinish
100,800 to 1900,825 on tFinish
0,620 to 2000,200 on tFinish
1900,75 to 1900,825 on tFinish
810,0 to 950,900 on tFinish

## Text inside footprints (layer, text, board x,y; h text height)
CHG: tDocu "C" at 142.24,223.94 h8.5 r270; tDocu "A" at 39.88,223.94 h8.5 r270
D3: tDocu "C" at 65.26,678.56 h8.5 r90; tDocu "A" at 167.62,678.56 h8.5 r90
U$13: tPlace ">REV" at 196.5,422.5 h34
X4: tDocu "PCB EDGE" at 17.52,450 h13.6 r270